# Altium PCB 左手键盘1.PcbDoc (part 2 of 2)
Units mm, origin at the board's own origin, x right, y up, seen from the top; angles counter-clockwise.
Board outline 400.53 x 130.06 mm, 2 copper layers (Top Layer, Bottom Layer); 131 components, 148 nets, 1503 pads, 606 vias.
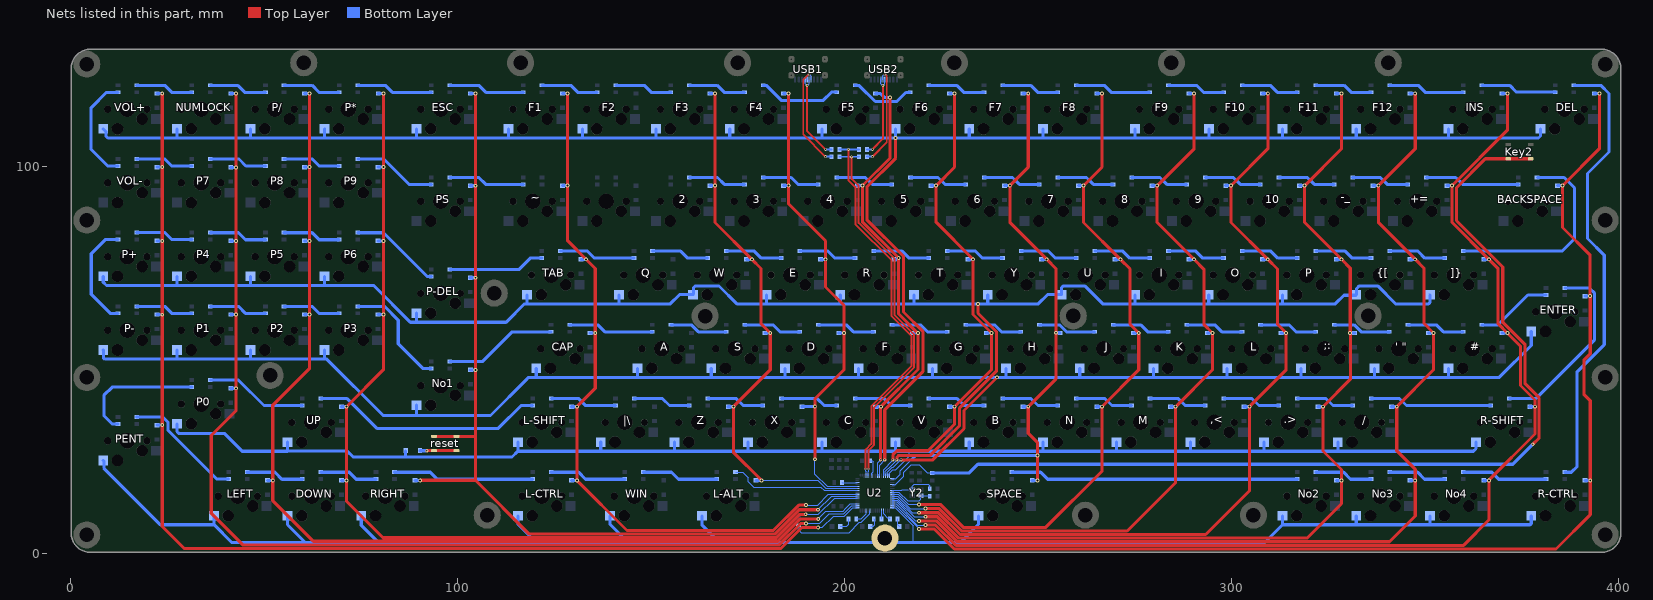
[diagram p2: the nets of this part, all layers, seen from the top]

## Via types
v1: diameter 0.8, hole 0.4, Top Layer to Bottom Layer, tented both sides, 366 vias
v2: diameter 1, hole 0.5, Top Layer to Bottom Layer, tented both sides, 238 vias
v3: diameter 0.5, hole 0.3, Top Layer to Bottom Layer, tented both sides, 2 vias

## Nets (pads, with @x,y where several pads share a name; then routed paths per layer and width w, separated by ;. In a path a pad name is that pad's centre, name@x,y a point inside that pad or via, vN(x,y) a via of type N, cw(c..) or ccw(c..) an arc to the next point about the centre after c; other vN are vias at no path point) (continued)
Net2_2: 2.2 3.4 | length 15
  Bottom Layer w0.8: 2.2@160.005,97.138 167.225,97.138 169.025,95.338 3.4@174.229,95.338
Net2_5: 2.5 F3.5 L-ALT.5 S.5 U2.59 W.5 Z.5 | length 147
  Top Layer w0.8: v2(166.553,118.839) 166.578,118.813 166.578,95.052 v2(166.603,95.026) 166.603,85.488 v2(176.116,75.976) 178.497,73.595 178.497,59.307 v2(180.878,56.926) 180.878,47.401 v2(171.353,37.876) 171.353,26.106 v2(178.653,18.806)
  Bottom Layer w0.3: v2(178.653,18.806) 193.162,18.806 195.206,16.762 U2.59@203.402,16.762
  Bottom Layer w0.8: F3.5@165.214,118.839 F3.5@165.265,118.839 v2(166.553,118.839) v2@166.586,118.872 ; 2.5@165.265,95.026 v2(166.603,95.026) v2@166.637,95.059 ; Z.5@170.015,37.876 v2(171.353,37.876) v2@171.386,37.91 ; W.5@174.777,75.976 v2(176.116,75.976) v2@176.149,76.01 ; L-ALT.5@177.165,18.826 177.175,18.816 178.643,18.816 v2(178.653,18.806) ; S.5@179.54,56.926 v2(180.878,56.926) v2@180.911,56.959
Net3_2: 3.2 4.4 | length 15
  Bottom Layer w0.8: 3.2@179.042,97.138 186.262,97.138 188.062,95.338 4.4@193.266,95.338
Net3_5: 3.5 D.5 E.5 F4.5 U2.60 X.5 | length 130.5
  Top Layer w0.8: v2(185.628,118.813) 185.634,118.807 185.634,95.032 v2(185.641,95.026) 185.641,90.264 195.166,80.739 v2(195.166,75.976) 195.166,68.832 199.928,64.07 v2(199.928,56.926) 199.928,47.401 192.39,39.863 v2(192.39,37.943) 192.39,24.298 v2(192.4,24.287)
  Bottom Layer w0.3: v2(192.4,24.287) 192.4,20.457 195.595,17.262 U2.60@203.402,17.262
  Bottom Layer w0.8: F4.5@184.29,118.813 v2(185.628,118.813) v2@185.661,118.847 ; 3.5@184.302,95.026 v2(185.641,95.026) v2@185.674,95.059 ; X.5@189.065,37.876 189.131,37.943 v2(192.39,37.943) 190.47,37.943 ; E.5@193.827,75.976 v2(195.166,75.976) v2@195.199,76.01 ; D.5@198.59,56.926 v2(199.928,56.926) v2@199.962,56.959
Net4_2: 4.2 5.4 | length 15
  Bottom Layer w0.8: 4.2@198.092,97.138 205.452,97.138 207.252,95.338 5.4@212.316,95.338
Net4_5: 4.5 C.5 F5.5 F.5 R.5 U2.10 | length 121.1
  Top Layer w0.8: v1(209.408,24.145) 209.408,37.681 209.426,37.698 209.426,37.84 v2(209.464,37.878) 219.075,47.489 v2(219.075,56.881) 219.023,56.881 214.071,61.834 v2(214.071,76.307) 204.688,85.689 v2(204.688,95.047) 204.724,95.047 211.86,102.182 v2(211.86,117.831)
  Bottom Layer w0.3: U2.10@208.652,20.012 208.652,23.364 v1@209.408,24.12
  Bottom Layer w0.8: 4.5@203.352,95.026 203.373,95.047 v2(204.688,95.047) 204.711,95.047 v2@204.724,95.059 ; F5.5@208.115,118.839 208.147,118.807 209.374,118.807 210.35,117.831 v2(211.86,117.831) ; C.5@208.128,37.876 C.5@208.128,37.876 209.463,37.877 v2(209.464,37.878) ; R.5@212.877,75.976 212.881,75.973 214.067,75.973 214.071,75.976 v2(214.071,76.307) ; F.5@217.64,56.926 217.685,56.881 v2(219.075,56.881) 219.075,56.896 v2@219.011,56.959
Net5_2: 5.2 6.4 | length 15
  Bottom Layer w0.8: 5.2@217.142,97.138 224.248,97.138 226.048,95.338 6.4@231.366,95.338
Net5_5: 5.5 F6.5 G.5 T.5 U2.13 V.5 | length 129.9
  Top Layer w0.8: v1(212.562,24.145) 212.562,25.42 213.627,26.485 221.661,26.485 228.503,33.327 v2(228.503,37.876) 238.041,47.414 v2(238.041,56.926) 233.278,61.689 v2(233.278,75.976) 223.741,85.514 v2(223.741,95.026) 228.503,99.789 v2(228.503,118.839)
  Bottom Layer w0.3: U2.13@210.152,20.012 210.152,21.607 212.578,24.033 v1@212.578,24.094
  Bottom Layer w0.8: 5.5@222.402,95.026 v2(223.741,95.026) v2@223.774,95.059 ; V.5@227.165,37.876 v2(228.503,37.876) v2@228.536,37.91 ; F6.5@227.165,118.839 v2(228.503,118.839) v2@228.536,118.872 ; T.5@231.94,75.976 v2(233.278,75.976) v2@233.312,76.01 ; G.5@236.703,56.926 v2(238.041,56.926) v2@238.074,56.959
Net6_2: 6.2 7.4 | length 15
  Bottom Layer w0.8: 6.2@236.192,97.138 243.476,97.138 245.276,95.338 7.4@250.416,95.338
Net6_5: 6.5 B.5 F7.5 H.5 SPACE.5 U2.17 Y.5 | length 159.3
  Top Layer w0.8: v2(247.553,118.839) 247.553,99.789 v2(242.791,95.026) 242.791,85.514 v2(252.328,75.976) 254.698,73.606 v2(254.698,56.991) 254.698,45.008 v2(247.566,37.876) 247.566,31.011 249.911,28.666 v2(249.911,25.222) 249.9,25.212 249.9,19.008 249.902,19.006 249.902,18.864 v2(249.941,18.826)
  Bottom Layer w0.3: U2.17@212.402,19.262 213.262,19.262 214.444,20.444 214.444,21.304 217.385,24.246
  Bottom Layer w0.8: 217.385,24.246 218.362,25.222 v2(249.911,25.222) ; 6.5@241.452,95.026 v2(242.791,95.026) v2@242.824,95.059 ; F7.5@246.215,118.839 v2(247.553,118.839) v2@247.587,118.872 ; B.5@246.228,37.876 v2(247.566,37.876) v2@247.599,37.91 ; SPACE.5@248.602,18.826 v2(249.941,18.826) v2@249.974,18.86 ; Y.5@250.99,75.976 v2(252.328,75.976) v2@252.362,76.01 ; v2(254.698,56.991) 255.675,56.991 H.5@255.74,56.926
Net7_2: 7.2 8.4 | length 15
  Bottom Layer w0.8: 7.2@255.242,97.138 262.602,97.138 264.402,95.338 8.4@269.466,95.338
Net7_5: 7.5 F8.5 J.5 N.5 U2.25 U.5 | length 180.2
  Top Layer w0.8: v2@219.33,12.629 v2(219.324,12.623) 224.81,12.623 230.753,6.68 252.12,6.68 266.603,21.163 v2(266.603,37.876) 276.128,47.401 v2(276.128,56.926) 273.84,59.214 273.84,73.502 v2(271.366,75.976) 261.841,85.501 v2(261.841,95.026) 266.603,99.789 v2(266.603,118.839)
  Bottom Layer w0.3: U2.25@212.402,15.262 213.958,15.262 216.597,12.623 v2(219.324,12.623)
  Bottom Layer w0.8: 7.5@260.502,95.026 v2(261.841,95.026) v2@261.874,95.059 ; N.5@265.265,37.876 v2(266.603,37.876) v2@266.637,37.91 ; F8.5@265.265,118.839 v2(266.603,118.839) v2@266.637,118.872 ; U.5@270.027,75.976 v2(271.366,75.976) v2@271.399,76.01 ; J.5@274.79,56.926 v2(276.128,56.926) v2@276.161,56.959
Net8_2: 8.2 9.4 | length 15
  Bottom Layer w0.8: 8.2@274.292,97.138 281.601,97.138 283.401,95.338 9.4@288.516,95.338
Net8_5: 8.5 F9.5 I.5 K.5 M.5 U2.26 | length 203.5
  Top Layer w0.8: v2(221.021,11.534) 224.588,11.534 230.369,5.753 273.126,5.753 285.653,18.28 v2(285.653,37.876) 295.178,47.401 v2(295.178,56.926) 292.952,59.152 292.952,73.44 v2(290.416,75.976) 280.891,85.501 v2(280.891,95.026) 290.428,104.564 v2(290.428,118.839)
  Bottom Layer w0.3: U2.26@212.402,14.762 213.854,14.762 217.082,11.534 v2(221.021,11.534)
  Bottom Layer w0.8: 8.5@279.552,95.026 v2(280.891,95.026) v2@280.924,95.059 ; M.5@284.315,37.876 v2(285.653,37.876) v2@285.686,37.91 ; I.5@289.077,75.976 v2(290.416,75.976) v2@290.449,76.01 ; F9.5@289.09,118.839 v2(290.428,118.839) v2@290.462,118.872 ; K.5@293.84,56.926 v2(295.178,56.926) v2@295.212,56.959
Net9_2: 9.2 10.4 | length 15
  Bottom Layer w0.8: 9.2@293.355,97.138 300.575,97.138 302.375,95.338 10.4@307.579,95.338
Net9_5: 9.5 ,<.5 F10.5 L.5 O.5 U2.27 | length 224.1
  Top Layer w0.8: v2@219.335,10.46 v2(219.324,10.471) 224.34,10.471 229.985,4.826 293.408,4.826 304.726,16.144 304.726,31.753 304.703,31.777 v2(304.703,37.876) 314.228,47.401 v2(314.228,56.926) 311.977,59.177 311.977,73.465 v2(309.466,75.976) 299.953,85.488 v2(299.953,95.026) 309.478,104.551 v2(309.478,118.839)
  Bottom Layer w0.3: U2.27@212.402,14.262 213.751,14.262 217.542,10.471 v2(219.324,10.471)
  Bottom Layer w0.8: 9.5@298.615,95.026 v2(299.953,95.026) ; 303.365,37.876 v2(304.703,37.876) ; O.5@308.127,75.976 v2(309.466,75.976) ; F10.5@308.14,118.839 v2(309.478,118.839) ; L.5@312.89,56.926 v2(314.228,56.926)
Net10_2: 10.2 -_.4 | length 15
  Bottom Layer w0.8: 10.2@312.392,97.138 319.701,97.138 321.501,95.338 -_.4@326.616,95.338
Net10_5: 10.5 .>.5 ;:.5 F11.5 No2.5 P.5 U2.28 | length 252
  Top Layer w0.8: v2(221.046,9.426) 224.074,9.426 229.601,3.899 319.595,3.899 328.528,12.832 v2(328.528,18.826) 328.528,21.634 323.753,26.409 v2(323.753,37.876) 330.816,44.939 330.816,56.763 330.696,56.883 330.696,56.991 330.797,57.092 330.797,73.695 v2(328.516,75.976) 318.991,85.501 v2(318.991,95.026) 328.516,104.551 v2(328.516,118.839)
  Bottom Layer w0.3: U2.28@212.402,13.762 213.647,13.762 218.031,9.378 220.998,9.378 v2(221.046,9.426)
  Bottom Layer w0.8: 10.5@317.652,95.026 v2(318.991,95.026) v2@319.024,95.059 ; .>.5@322.415,37.876 v2(323.753,37.876) v2@323.786,37.91 ; P.5@327.177,75.976 v2(328.516,75.976) v2@328.549,76.01 ; F11.5@327.177,118.839 v2(328.516,118.839) v2@328.549,118.872 ; No2.5@327.19,18.826 v2(328.528,18.826) v2@328.562,18.86 ; v2(330.696,56.937) 331.929,56.937 331.94,56.926
Net#_2: #.2 ENTER.4 | length 19.8
  Bottom Layer w0.8: #.2@364.792,59.038 364.852,58.979 368.91,58.979 376.682,66.751 377.876,66.751 377.888,66.763 ENTER.4@381.391,66.763
Net#_4: "' \".2" #.4 | length 15
  Bottom Layer w0.8: 345.729,59.038 353.051,59.038 354.851,57.238 #.4@359.953,57.238
Net#_5: #.5 +=.5 ]}.5 INS.5 No4.5 R-SHIFT.5 U2.30 | length 299.7
  Top Layer w0.8: v2(221.046,7.314) 223.564,7.314 228.833,2.045 360.091,2.045 366.628,8.582 366.628,18.88 366.728,18.98 366.728,19.007 378.528,30.807 v2(378.528,37.876) 378.528,39.622 374.781,43.369 374.781,53.536 v2(371.391,56.926) 369.03,59.287 369.03,73.574 v2(366.628,75.976) 357.091,85.514 v2(357.091,95.026) 371.391,109.326 v2(371.391,118.839)
  Bottom Layer w0.3: U2.30@212.402,12.762 213.439,12.762 218.931,7.269 221.002,7.269 v2(221.046,7.314)
  Bottom Layer w0.8: +=.5@355.752,95.026 v2(357.091,95.026) v2@357.124,95.059 ; No4.5@365.29,18.826 v2(366.628,18.826) v2@366.662,18.86 ; ]}.5@365.29,75.976 v2(366.628,75.976) v2@366.662,76.01 ; #.5@370.053,56.926 v2(371.391,56.926) v2@371.424,56.959 ; INS.5@370.053,118.839 v2(371.391,118.839) v2@371.424,118.872 ; R-SHIFT.5@377.19,37.876 v2(378.528,37.876) v2@378.562,37.91
Net#_6: "' \".6" #.6 ;:.6 A.6 CAP.6 D.6 ENTER.6 F.6 G.6 H.6 J.6 K.6 L.6 No1.6 P1.6 P2.6 P3.6 P-.6 S.6 U2.15 | length 471
  Top Layer w0.8: v1(214.666,24.145) 222.903,24.145 230.965,32.207 230.965,36.911 239.494,45.441 v2(239.494,45.476)
  Bottom Layer w0.3: U2.15@211.152,20.012 211.152,20.89 212.453,22.191 212.701,22.191 214.655,24.145 v1(214.666,24.145)
  Bottom Layer w0.8: P-.6@8.471,52.535 8.509,52.497 8.509,50.541 8.89,50.16 27.622,50.16 ; P1.6@27.521,52.535 27.521,50.262 27.622,50.16 ; P2.6@46.571,52.535 46.571,50.376 46.355,50.16 ; P3.6@65.621,52.535 65.621,50.249 65.532,50.16 ; No1.6@89.438,38.247 89.438,35.611 ; CAP.6@120.396,47.772 120.396,45.461 ; A.6@146.596,47.772 146.596,45.626 146.431,45.461 ; S.6@165.633,47.772 165.633,45.563 165.735,45.461 ; D.6@184.683,47.772 184.683,45.563 184.785,45.461 ; F.6@203.733,47.772 203.733,45.613 203.581,45.461 ; G.6@222.796,47.772 222.796,45.499 222.758,45.461 ; H.6@241.833,47.772 241.833,45.613 241.681,45.461 ; J.6@260.883,47.772 260.883,45.486 260.858,45.461 ; K.6@279.933,47.772 279.933,45.69 280.162,45.461 ; L.6@298.983,47.772 298.983,45.486 298.958,45.461 ; 318.033,47.772 318.033,45.486 318.008,45.461 ; 337.083,47.772 337.083,45.486 337.058,45.461 ; #.6@356.146,47.772 356.146,45.55 356.235,45.461 ; ENTER.6@377.571,57.297 377.571,53.716 369.316,45.461 356.235,45.461 ; 27.622,50.16 46.355,50.16 ; 46.355,50.16 65.532,50.16 ; 65.532,50.16 66.264,50.16 80.813,35.611 89.438,35.611 ; 89.438,35.611 108.559,35.611 117.914,44.966 117.914,44.992 118.383,45.461 120.396,45.461 ; 120.396,45.461 146.431,45.461 ; 146.431,45.461 165.735,45.461 ; 165.735,45.461 184.785,45.461 ; 184.785,45.461 203.581,45.461 ; 203.581,45.461 222.758,45.461 ; 222.758,45.461 241.681,45.461 ; 241.681,45.461 260.858,45.461 ; 260.858,45.461 280.162,45.461 ; 280.162,45.461 298.958,45.461 ; 298.958,45.461 318.008,45.461 ; 318.008,45.461 337.058,45.461 ; 337.058,45.461 356.235,45.461
"Net' \"_4": "' \".4" ;:.2 | length 15
  Bottom Layer w0.8: 326.679,59.038 331.79,59.038 333.59,57.238 340.903,57.238
"Net' \"_5": "' \".5" -_.5 /.5 F12.5 No3.5 U2.29 {[.5 | length 275.2
  Top Layer w0.8: v2(219.324,8.372) 223.817,8.372 229.217,2.972 340.931,2.972 347.578,9.619 v2(347.578,18.826) 347.578,21.692 342.816,26.454 v2(342.816,37.876) 352.328,47.388 v2(352.328,56.926) 349.849,59.405 349.849,73.705 v2(347.578,75.976) 338.041,85.514 v2(338.041,95.026) 347.578,104.564 v2(347.578,118.839)
  Bottom Layer w0.3: U2.29@212.402,13.262 213.543,13.262 218.374,8.431 219.265,8.431 v2(219.324,8.372)
  Bottom Layer w0.8: -_.5@336.702,95.026 v2(338.041,95.026) ; /.5@341.478,37.876 v2(342.816,37.876) ; No3.5@346.24,18.826 v2(347.578,18.826) ; {[.5@346.24,75.976 v2(347.578,75.976) ; F12.5@346.24,118.839 v2(347.578,118.839) ; 350.99,56.926 v2(352.328,56.926)
Net+=_2: +=.2 BACKSPACE.4 | length 24.5
  Bottom Layer w0.8: +=.2@350.492,97.138 358.03,97.138 359.83,95.338 BACKSPACE.4@374.241,95.338
Net+=_4: +=.4 -_.2 | length 15
  Bottom Layer w0.8: -_.2@331.442,97.138 338.548,97.138 340.348,95.338 +=.4@345.666,95.338
Net,<_2: ,<.2 M.4 | length 15
  Bottom Layer w0.8: M.4@279.064,39.976 286.337,39.976 288.138,38.176 293.288,38.176
Net,<_4: ,<.4 .>.2 | length 15
  Bottom Layer w0.8: 298.114,39.976 305.387,39.976 307.188,38.176 .>.2@312.338,38.176
Net,<_6: ,<.6 .>.6 /.6 B.6 C.6 D2.2 L-SHIFT.6 M.6 N.6 P0.6 R-SHIFT.6 U2.16 UP.6 V.6 X.6 Z.6 |\.6 | length 383.5
  Bottom Layer w0.3: U2.16@211.652,20.007 211.652,20.644 212.557,21.549 213.279,21.549 216.784,25.055 216.784,26.368
  Bottom Layer w0.8: P0.6@27.521,33.454 27.521,31.444 27.99,30.975 39.787,30.975 44.386,26.375 56.096,26.375 ; UP.6@56.096,28.692 56.096,26.393 71.549,26.393 73.081,24.862 86.604,24.862 ; D2.2@86.644,26.472 86.644,24.902 86.604,24.862 ; 115.633,26.393 L-SHIFT.6@115.633,28.692 ; 137.058,26.393 |\.6@137.058,28.692 ; 156.108,26.393 Z.6@156.108,28.692 ; 175.158,26.393 X.6@175.158,28.692 ; 194.221,26.393 C.6@194.221,28.692 ; 213.258,26.393 V.6@213.258,28.692 ; 232.313,26.393 B.6@232.313,28.692 ; 251.358,26.393 N.6@251.358,28.692 ; 270.408,26.393 M.6@270.408,28.692 ; 289.458,26.393 289.458,28.692 ; 308.508,26.393 .>.6@308.508,28.692 ; /.6@327.571,28.692 327.571,26.393 327.546,26.368 ; R-SHIFT.6@363.284,28.692 363.284,27.031 362.621,26.368 327.546,26.368 ; 86.604,24.862 114.127,24.862 115.633,26.368 137.058,26.368 156.108,26.368 175.158,26.368 194.221,26.368 213.258,26.368 216.784,26.368 232.313,26.368 251.358,26.368 270.408,26.368 289.458,26.368 308.508,26.368 327.546,26.368
Net.>_4: .>.4 /.2 | length 15
  Bottom Layer w0.8: .>.4@317.164,39.976 324.539,39.976 326.339,38.176 /.2@331.388,38.176
Net/_4: /.4 R-SHIFT.2 | length 31.6
  Bottom Layer w0.8: /.4@336.227,39.976 343.513,39.976 345.313,38.176 R-SHIFT.2@367.113,38.176
Net;:_4: ;:.4 L.2 | length 15
  Bottom Layer w0.8: L.2@307.629,59.038 314.951,59.038 316.751,57.238 321.853,57.238
Net]}_2: ]}.2 {[.4 | length 15
  Bottom Layer w0.8: {[.4@340.99,78.076 348.288,78.076 350.088,76.276 ]}.2@355.214,76.276
Net]}_4: ]}.4 BACKSPACE.2 | length 53.8
  Bottom Layer w0.8: ]}.4@360.04,78.076 385.538,78.076 388.758,81.296 388.758,94.454 386.073,97.139 BACKSPACE.2@379.256,97.139
Net]}_6: ]}.6 E.6 I.6 O.6 P4.6 P5.6 P6.6 P+.6 P-DEL.6 P.6 Q.6 R.6 T.6 TAB.6 U2.14 U.6 W.6 Y.6 {[.6 | length 461.2
  Top Layer w0.8: v1(213.614,24.145) 213.614,24.835 214.083,25.303 222.192,25.303 229.768,32.88 229.768,37.455 239.321,47.008 239.321,57.325 234.582,62.065 v2(234.582,64.463)
  Bottom Layer w0.3: U2.14@210.652,20.012 210.652,21.152 212.118,22.618 v1@213.644,24.145
  Bottom Layer w0.8: P+.6@8.471,71.559 8.471,70.035 9.322,69.185 27.686,69.185 ; P4.6@27.521,71.559 27.521,69.35 27.686,69.185 ; P5.6@46.571,71.559 46.571,69.35 46.736,69.185 ; P6.6@65.621,71.559 65.621,69.273 65.532,69.185 ; P-DEL.6@89.433,62.034 89.433,59.736 89.408,59.71 ; TAB.6@118.008,66.797 118.008,64.765 117.983,64.74 117.983,64.473 ; Q.6@141.821,66.797 141.821,64.562 141.732,64.473 ; E.6@179.921,66.797 179.921,64.511 179.959,64.473 ; R.6@198.971,66.797 198.971,64.638 199.136,64.473 ; T.6@218.034,66.797 218.034,64.625 218.186,64.473 ; Y.6@237.084,66.797 237.084,64.625 237.236,64.473 ; I.6@275.171,66.797 275.171,64.638 275.336,64.473 ; O.6@294.221,66.797 294.221,64.511 294.259,64.473 ; P.6@313.271,66.797 313.271,64.511 313.309,64.473 ; ]}.6@351.384,66.797 351.358,66.772 351.358,64.77 351.061,64.473 342.486,64.473 337.858,69.101 333.132,69.101 332.4,68.369 332.4,66.863 332.217,66.68 329.162,66.68 326.955,64.473 313.309,64.473 ; 27.686,69.185 46.736,69.185 ; 46.736,69.185 65.532,69.185 ; 65.532,69.185 78.384,69.185 87.859,59.71 89.408,59.71 ; 89.408,59.71 112.611,59.71 117.373,64.473 117.983,64.473 ; 117.983,64.473 141.732,64.473 ; 141.732,64.473 155.052,64.473 157.407,66.827 W.6@160.871,66.827 161.01,66.967 161.01,68.542 161.577,69.109 162.331,69.109 162.345,69.095 167.632,69.095 172.254,64.473 179.959,64.473 ; 179.959,64.473 199.136,64.473 ; 199.136,64.473 218.186,64.473 ; 218.186,64.473 237.236,64.473 ; 237.236,64.473 250.163,64.473 252.518,66.827 U.6@256.121,66.827 256.146,66.827 256.166,66.847 256.166,68.645 256.635,69.114 262.141,69.114 266.782,64.473 275.336,64.473 ; 275.336,64.473 294.259,64.473 ; 294.259,64.473 313.309,64.473
NetA_2: A.2 S.4 | length 15
  Bottom Layer w0.8: A.2@155.242,59.038 160.479,59.038 162.279,57.238 164.275,57.238 S.4@169.466,57.238
NetA_4: A.4 CAP.2 | length 22.1
  Bottom Layer w0.8: CAP.2@129.042,59.038 136.313,59.038 138.113,57.238 A.4@150.416,57.238
NetB_2: B.2 V.4 | length 15
  Bottom Layer w0.8: V.4@221.914,39.976 229.187,39.976 230.987,38.176 B.2@236.138,38.176
NetB_4: B.4 N.2 | length 15
  Bottom Layer w0.8: B.4@240.977,39.976 248.288,39.976 250.088,38.176 N.2@255.201,38.176
NetBACKSPACE_5: BACKSPACE.5 DEL.5 ENTER.5 R-CTRL.5 U2.31 | length 311.3
  Top Layer w0.8: v2(219.324,6.273) 223.294,6.273 228.449,1.118 383.951,1.118 392.816,9.982 v2(392.816,18.826) 392.816,39.418 391.165,41.069 391.165,49.89 392.816,51.541 v2@392.816,66.451 ; v2(392.77,66.451) 392.804,66.486 392.804,77.055 385.666,84.194 v2(385.666,95.026) 395.191,104.551 v2(395.191,118.839)
  Bottom Layer w0.3: U2.31@212.402,12.262 213.335,12.262 v2(219.324,6.273)
  Bottom Layer w0.8: BACKSPACE.5@384.327,95.026 v2(385.666,95.026) v2@385.699,95.059 ; R-CTRL.5@391.477,18.826 v2(392.816,18.826) v2@392.849,18.86 ; ENTER.5@391.477,66.451 v2(392.77,66.451) ; DEL.5@393.852,118.839 v2(395.191,118.839) v2@395.224,118.872
NetC8_2: C8.2 U2.7 | length 4.6
  Bottom Layer w0.3: C8.2@206.632,23.909 206.649,23.892 207.277,23.892 207.548,23.621 207.548,21.106 207.152,20.71 U2.7@207.152,20.178
NetC9_1: C9.1 U2.62 | length 4
  Bottom Layer w0.3: C9.1@199.404,18.324 199.466,18.262 U2.62@203.402,18.262
NetC10_2: C10.2 U2.24 Y2.3 | length 11.8
  Bottom Layer w0.3: U2.24@212.402,15.762 214.118,15.762 216.357,13.523 219.334,13.523 219.776,13.965 219.776,14.783 Y2.3@219.83,14.837 ; Y2.3@219.705,14.837 221.997,14.837 C10.2@222.083,14.751
NetC11_2: C11.2 U2.23 Y2.1 | length 11.8
  Bottom Layer w0.3: U2.23@212.402,16.262 214.853,16.262 215.028,16.437 Y2.1@217.63,16.437 217.63,17.335 218.125,17.831 221.681,17.831 222.062,17.45 222.062,16.682 C11.2@222.083,16.661
NetC_2: C.2 X.4 | length 14.9
  Bottom Layer w0.8: X.4@183.814,39.976 193.013,39.976 194.798,38.191 C.2@197.96,38.191
NetC_4: C.4 V.2 | length 15
  Bottom Layer w0.8: C.4@202.877,39.976 210.315,39.976 212.115,38.176 V.2@217.101,38.176
NetCAP_4: CAP.4 No1.2 | length 29.2
  Bottom Layer w0.8: No1.2@98.084,49.513 106.43,49.513 114.155,57.238 CAP.4@124.128,57.238
NetCAP_5: CAP.5 F1.5 L-CTRL.5 L-SHIFT.5 TAB.5 U2.56 ~.5 | length 195
  Top Layer w0.8: v2(128.491,118.839) v2(128.491,95.026) 128.491,80.739 v2(133.253,75.976) 135.641,73.589 v2(135.641,56.926) 135.641,42.639 v2(130.878,37.876) v2(130.878,18.826) 143.835,5.869 181.691,5.869 188.258,12.437 v2(190.086,12.437)
  Bottom Layer w0.3: v2(190.086,12.437) 193.091,12.437 195.916,15.262 U2.56@203.402,15.262
  Bottom Layer w0.8: ~.5@127.152,95.026 v2(128.491,95.026) v2@128.524,95.059 ; F1.5@127.152,118.839 v2(128.491,118.839) v2@128.524,118.872 ; L-CTRL.5@129.54,18.826 v2(130.878,18.826) v2@130.912,18.86 ; L-SHIFT.5@129.54,37.876 v2(130.878,37.876) v2@130.912,37.91 ; TAB.5@131.915,75.976 v2(133.253,75.976) v2@133.286,76.01 ; CAP.5@134.302,56.926 v2(135.641,56.926) v2@135.674,56.959
NetD1_1: D1.1 R7.2 | length 2.9
  Bottom Layer w0.3: D1.1@206.837,6.921 207.457,6.921 207.932,7.396 207.932,8.547 207.617,8.862 R7.2@207.625,8.87
NetD2_1: D2.1 reset.3 reset.4 | length 9.4
  Top Layer w0.8: v1@92.156,26.502 92.161,26.507 reset.3@93.955,26.507 reset.4@99.755,26.507
  Bottom Layer w0.8: D2.1@90.353,26.507 90.355,26.505 92.128,26.505 v1(92.131,26.502)
NetD3_1: D3.1 R8.2 | length 2.1
  Bottom Layer w0.3: R8.2@213.79,8.87 213.79,7.368 D3.1@214.202,6.956
NetD4_1: D4.1 R9.2 | length 3.8
  Bottom Layer w0.3: D4.1@198.953,6.939 200.594,6.939 201.116,7.461 201.116,8.864 R9.2@201.113,8.867
NetD_2: D.2 F.4 | length 15
  Bottom Layer w0.8: D.2@193.329,59.038 200.55,59.038 202.35,57.238 F.4@207.553,57.238
NetD_4: D.4 S.2 | length 15
  Bottom Layer w0.8: S.2@174.279,59.038 181.601,59.038 183.401,57.238 D.4@188.503,57.238
NetDEL_2: DEL.2 INS.4 | length 19.7
  Bottom Layer w0.8: INS.4@364.802,120.939 371.999,120.939 373.761,119.177 DEL.2@383.776,119.177
NetDEL_4: DEL.4 R-CTRL.2 | length 117.1
  Bottom Layer w0.8: R-CTRL.2@386.312,20.938 387.947,20.938 389.427,22.418 389.427,46.907 396.433,53.913 396.433,77.047 392.105,81.375 392.105,98.171 397.658,103.724 397.658,118.813 395.532,120.939 DEL.4@388.602,120.939
NetDEL_6: DEL.6 ESC.6 F1.6 F2.6 F3.6 F4.6 F5.6 F6.6 F7.6 F8.6 F9.6 F10.6 F11.6 F12.6 INS.6 NUMLOCK.6 P*.6 P/.6 U2.11 VOL+.6 | length 516.5
  Top Layer w0.8: v1(210.459,24.145) 210.459,37.074 220.312,46.926 220.312,57.366 215.313,62.364 215.313,76.728 205.849,86.193 205.849,94.683 213.294,102.128 v2(213.294,107.356)
  Bottom Layer w0.3: U2.11@209.152,20.012 209.152,22.807 v1@210.464,24.12
  Bottom Layer w0.8: VOL+.6@8.471,109.675 9.184,108.962 9.184,107.781 9.653,107.312 27.521,107.312 46.723,107.312 46.571,107.465 P/.6@46.571,109.675 ; NUMLOCK.6@27.521,109.675 27.521,107.414 27.597,107.338 ; 46.703,107.333 65.684,107.333 65.684,109.639 P*.6@65.634,109.69 ; 65.684,107.338 89.459,107.338 ; ESC.6@89.433,109.675 89.433,107.363 89.459,107.338 ; F1.6@113.246,109.675 113.246,107.465 113.373,107.338 ; F2.6@132.309,109.675 132.309,107.592 132.563,107.338 ; F3.6@151.359,109.675 151.359,107.414 151.435,107.338 ; F4.6@170.396,109.675 170.396,107.401 170.332,107.338 ; F5.6@194.208,109.675 194.208,107.401 194.272,107.338 ; v2@213.258,107.376 213.294,107.34 213.296,107.338 232.308,107.338 ; v2@213.279,107.376 F6.6@213.279,109.675 ; v2@213.291,107.338 194.272,107.338 ; F7.6@232.308,109.675 232.308,107.338 ; F8.6@251.358,109.675 251.358,107.401 251.422,107.338 ; F9.6@275.184,109.675 275.184,107.351 275.196,107.338 ; F10.6@294.234,109.675 294.234,107.376 294.272,107.338 ; F11.6@313.271,109.675 313.271,107.363 313.296,107.338 ; F12.6@332.334,109.675 332.334,107.401 332.397,107.338 ; INS.6@356.146,109.675 356.146,107.338 ; DEL.6@379.946,109.675 379.946,107.846 379.438,107.338 356.146,107.338 ; 89.459,107.338 113.373,107.338 ; 113.373,107.338 132.563,107.338 ; 132.563,107.338 151.435,107.338 ; 151.435,107.338 170.332,107.338 ; 170.332,107.338 194.272,107.338 ; 232.308,107.338 251.422,107.338 ; 251.422,107.338 275.196,107.338 ; 275.196,107.338 294.272,107.338 ; 294.272,107.338 313.296,107.338 ; 313.296,107.338 332.397,107.338 ; 332.397,107.338 356.146,107.338
NetDOWN_2: DOWN.2 RIGHT.4 | length 15
  Bottom Layer w0.8: DOWN.2@64.755,20.938 72.051,20.938 73.851,19.138 RIGHT.4@78.979,19.138
NetDOWN_4: DOWN.4 LEFT.2 | length 15
  Bottom Layer w0.8: LEFT.2@45.692,20.938 52.849,20.938 54.649,19.138 DOWN.4@59.916,19.138
NetDOWN_5: DOWN.5 P3.5 P6.5 P9.5 P*.5 U2.54 UP.5 | length 257.8
  Top Layer w0.8: v2(80.878,118.839) 80.872,118.832 80.872,99.789 80.872,80.739 80.872,61.695 v2(80.866,61.689) 80.866,47.401 v2(71.341,37.876) 71.347,37.87 71.347,18.832 v2(71.353,18.826) 71.353,13.422 80.76,4.015 182.459,4.015 188.488,10.045 189.999,10.045 v2(190.038,10.083)
  Bottom Layer w0.3: v2(190.038,10.083) 190.054,10.099 193.319,10.099 197.482,14.262 U2.54@203.402,14.262
  Bottom Layer w0.8: UP.5@70.002,37.876 v2(71.341,37.876) v2@71.374,37.91 ; DOWN.5@70.015,18.826 v2(71.353,18.826) v2@71.387,18.86 ; P3.5@79.527,61.689 v2(80.866,61.689) v2@80.899,61.722 ; P6.5@79.527,80.739 v2(80.866,80.739) ; P9.5@79.527,99.789 v2(80.866,99.789) ; P*.5@79.54,118.839 v2(80.878,118.839) v2@80.912,118.872
NetDOWN_6: DOWN.6 L-ALT.6 L-CTRL.6 LEFT.6 No2.6 No3.6 No4.6 pad.1@210.522,3.901 PENT.6 R-CTRL.6 RIGHT.6 SPACE.6 U2.32 WIN.6 | length 457.5
  Bottom Layer w0.3: U2.32@212.402,11.762 212.802,11.762 212.803,11.76 213.203,11.76 217.898,7.065 217.898,2.733
  Bottom Layer w0.8: PENT.6@8.471,23.96 8.618,23.813 8.618,21.984 23.241,7.361 37.135,7.361 ; LEFT.6@37.046,9.672 37.046,7.45 37.135,7.361 ; DOWN.6@56.109,9.672 56.109,7.386 60.724,2.771 60.724,2.733 ; RIGHT.6@75.146,9.672 75.146,7.45 75.057,7.361 79.685,2.733 ; L-CTRL.6@115.633,9.672 115.633,7.551 120.452,2.733 ; WIN.6@139.446,9.672 139.446,7.488 144.201,2.733 ; L-ALT.6@163.258,9.672 163.258,7.424 163.195,7.361 167.823,2.733 ; SPACE.6@234.696,9.672 234.696,7.488 229.941,2.733 ; No2.6@313.284,9.672 313.284,7.406 308.611,2.733 229.941,2.733 ; 313.309,7.361 332.359,7.361 ; No3.6@332.334,9.672 332.334,7.386 332.359,7.361 ; No4.6@351.384,9.672 351.384,7.463 351.282,7.361 ; R-CTRL.6@377.571,9.672 377.571,7.659 377.273,7.361 351.282,7.361 ; 37.135,7.361 41.763,2.733 60.724,2.733 ; 60.724,2.733 79.685,2.733 ; 79.685,2.733 120.452,2.733 ; 120.452,2.733 144.201,2.733 ; 144.201,2.733 167.823,2.733 ; 167.823,2.733 210.522,2.733 217.898,2.733 229.941,2.733 ; 332.359,7.361 351.282,7.361
NetE_2: E.2 W.4 | length 15
  Bottom Layer w0.8: W.4@169.527,78.076 176.762,78.076 178.562,76.276 E.2@183.751,76.276
NetE_4: E.4 R.2 | length 15
  Bottom Layer w0.8: E.4@188.577,78.076 195.797,78.076 197.597,76.276 R.2@202.801,76.276
NetENTER_2: ENTER.2 R-SHIFT.4 | length 48.5
  Bottom Layer w0.8: R-SHIFT.4@371.939,39.976 378.722,39.976 393.964,55.219 393.964,67.173 392.574,68.563 ENTER.2@386.312,68.563
NetESC_2: ESC.2 P*.4 | length 19.7
  Bottom Layer w0.8: P*.4@74.29,120.939 81.398,120.939 83.198,119.139 ESC.2@93.263,119.139
NetESC_4: ESC.4 F1.2 | length 19.7
  Bottom Layer w0.8: ESC.4@98.089,120.939 105.553,120.939 107.353,119.139 F1.2@117.076,119.139
NetESC_5: ESC.5 No1.5 P-DEL.5 PS.5 reset.1 reset.2 RIGHT.5 U2.55 | length 240.5
  Top Layer w0.8: v2(90.391,18.826) 90.424,18.86 104.678,18.86 ; reset.1@93.955,30.207 reset.2@99.755,30.207 104.634,30.207 104.678,30.251 ; v2(104.678,118.839) 104.678,94.996 v2(104.678,71.214) v2(104.678,47.396) 104.678,30.251 ; v2(193.185,11.237) 188.369,11.237 182.075,4.942 118.595,4.942 104.678,18.86 ; 104.678,18.86 104.678,30.251
  Bottom Layer w0.3: v2(193.185,11.237) 196.71,14.762 U2.55@203.402,14.762
  Bottom Layer w0.8: RIGHT.5@89.052,18.826 v2(90.391,18.826) v2@90.424,18.86 ; No1.5@103.34,47.396 v2(104.678,47.396) v2@104.712,47.429 ; P-DEL.5@103.34,71.214 v2(104.678,71.214) ; PS.5@103.34,95.026 103.37,94.996 v2(104.708,94.996) ; ESC.5@103.34,118.839 v2(104.678,118.839) v2@104.712,118.872
NetF1_4: F1.4 F2.2 | length 15
  Bottom Layer w0.8: F1.4@121.902,120.939 129.302,120.939 131.102,119.139 F2.2@136.126,119.139
NetF2_4: F2.4 F3.2 | length 15
  Bottom Layer w0.8: F2.4@140.965,120.939 148.327,120.939 150.127,119.139 F3.2@155.189,119.139
NetF3_4: F3.4 F4.2 | length 15
  Bottom Layer w0.8: F3.4@160.015,120.939 167.148,120.939 168.948,119.139 F4.2@174.239,119.139
NetF4_4: F4.4 F5.2 | length 21.5
  Bottom Layer w0.8: F4.4@179.055,120.942 179.845,120.942 183.718,117.069 194.579,117.069 196.687,119.177 197.831,119.177 197.838,119.17 F5.2@198.031,119.17
NetF5_4: F5.4 F6.2 | length 16.9
  Bottom Layer w0.8: F5.4@202.831,120.97 202.931,120.87 203.92,120.87 208.026,116.764 213.589,116.764 215.927,119.103 216.961,119.103 F6.2@216.997,119.139
NetF6_4: F6.4 F7.2 | length 15
  Bottom Layer w0.8: F6.4@221.914,120.939 229.048,120.939 230.848,119.139 F7.2@236.138,119.139
NetF7_4: F7.4 F8.2 | length 15
  Bottom Layer w0.8: F7.4@240.964,120.939 248.174,120.939 249.974,119.139 F8.2@255.188,119.139
NetF8_4: F8.4 F9.2 | length 19.7
  Bottom Layer w0.8: F8.4@260.014,120.939 267.199,120.939 268.999,119.139 F9.2@278.943,119.139
NetF9_4: F9.4 F10.2 | length 15
  Bottom Layer w0.8: F9.4@283.84,120.939 291.049,120.939 292.849,119.139 F10.2@298.064,119.139
NetF10_4: F10.4 F11.2 | length 15
  Bottom Layer w0.8: F10.4@302.89,120.939 310.15,120.939 311.95,119.139 F11.2@317.114,119.139
NetF11_4: F11.4 F12.2 | length 15
  Bottom Layer w0.8: F11.4@321.927,120.939 329.225,120.939 331.025,119.139 F12.2@336.151,119.139
NetF12_4: F12.4 INS.2 | length 19.7
  Bottom Layer w0.8: F12.4@340.99,120.939 348.377,120.939 350.177,119.139 INS.2@359.976,119.139
NetF_2: F.2 G.4 | length 15
  Bottom Layer w0.8: F.2@212.379,59.038 219.701,59.038 221.501,57.238 G.4@226.603,57.238
NetG_2: G.2 H.4 | length 15
  Bottom Layer w0.8: G.2@231.442,59.038 238.853,59.038 240.653,57.238 H.4@245.666,57.238
NetH_2: H.2 J.4 | length 15
  Bottom Layer w0.8: H.2@250.479,59.038 255.657,59.038 257.457,57.238 J.4@264.703,57.238
NetI_2: I.2 U.4 | length 15
  Bottom Layer w0.8: U.4@264.777,78.076 272.012,78.076 273.812,76.276 I.2@279.001,76.276
NetI_4: I.4 O.2 | length 15
  Bottom Layer w0.8: I.4@283.827,78.076 290.859,78.076 292.659,76.276 O.2@298.051,76.276
NetJ_2: J.2 K.4 | length 15
  Bottom Layer w0.8: J.2@269.529,59.038 276.623,59.038 278.423,57.238 K.4@283.753,57.238
NetK_2: K.2 L.4 | length 15
  Bottom Layer w0.8: K.2@288.579,59.038 295.8,59.038 297.6,57.238 L.4@302.803,57.238
NetKey2_3: Key2.3 Key2.4 R5.1 U2.20 | length 270.4
  Top Layer w0.8: Key2.4@377.434,101.959 Key2.3@371.634,101.959 365.723,101.959 358.242,94.478 358.242,85.964 370.217,73.988 370.217,59.703 375.992,53.928 375.992,43.78 379.618,40.154 379.618,29.786 v1(377.995,28.163)
  Bottom Layer w0.3: U2.20@212.402,17.762 213.164,17.762 215.321,19.919 215.321,20.904 217.292,22.875 219.329,22.875 221.437,20.767 R5.1@222.747,20.767
  Bottom Layer w0.8: R5.1@222.748,20.776 232.313,20.776 234.528,22.992 372.824,22.992 v1(377.995,28.163)
NetL-ALT_2: L-ALT.2 U2.58 | length 34
  Bottom Layer w0.3: L-ALT.2@171.904,20.938 173.753,20.938 175.179,19.512 175.179,18.522 176.591,17.109 193.98,17.109 194.828,16.262 U2.58@203.402,16.262
NetL-ALT_4: L-ALT.4 WIN.2 | length 19.7
  Bottom Layer w0.8: WIN.2@148.092,20.938 155.338,20.938 157.138,19.138 L-ALT.4@167.078,19.138
NetL-CTRL_2: L-CTRL.2 WIN.4 | length 19.7
  Bottom Layer w0.8: L-CTRL.2@124.279,20.938 131.335,20.938 133.135,19.138 WIN.4@143.266,19.138
NetL-CTRL_4: L-CTRL.4 RIGHT.2 | length 36.4
  Bottom Layer w0.8: RIGHT.2@83.792,20.938 93.006,20.938 94.806,19.138 L-CTRL.4@119.453,19.138
NetL-SHIFT_2: L-SHIFT.2 UP.4 | length 60.2
  Bottom Layer w0.8: UP.4@64.752,39.976 71.507,39.976 79.2,32.283 110.607,32.283 116.5,38.176 119.264,38.176 L-SHIFT.2@119.372,38.176
NetL-SHIFT_4: L-SHIFT.4 |\.2 | length 17.2
  Bottom Layer w0.8: L-SHIFT.4@124.407,40.021 131.251,40.021 133.052,38.221 |\.2@140.888,38.221
NetLEFT_4: LEFT.4 PENT.2 | length 31.6
  Bottom Layer w0.8: PENT.2@17.117,35.226 23.854,35.226 25.209,33.871 25.209,31.803 37.871,19.141 LEFT.4@40.852,19.141
NetLEFT_5: LEFT.5 P2.5 P5.5 P8.5 P/.5 U2.51 | length 275.5
  Top Layer w0.8: v2(61.816,118.839) v2(61.816,99.789) v2(61.816,80.739) v2(61.816,61.689) 61.816,47.795 52.291,38.27 v2(52.291,18.826) 52.291,13.582 62.784,3.088 182.842,3.088 188.644,8.89 v2(193.276,8.89)
  Bottom Layer w0.3: v2(193.276,8.89) 195.262,10.876 199.715,10.876 200.421,11.582 201.601,12.762 U2.51@203.402,12.762
  Bottom Layer w0.8: LEFT.5@50.952,18.826 v2(52.291,18.826) v2@52.324,18.86 ; P2.5@60.477,61.689 v2(61.816,61.689) v2@61.849,61.722 ; P5.5@60.477,80.739 v2(61.816,80.739) ; P8.5@60.477,99.789 v2(61.816,99.789) ; P/.5@60.477,118.839 v2(61.816,118.839) v2@61.849,118.872
NetM_2: M.2 N.4 | length 15
  Bottom Layer w0.8: N.4@260.014,39.976 267.414,39.976 269.214,38.176 M.2@274.238,38.176
NetNo1_4: No1.4 P3.2 | length 29.1
  Bottom Layer w0.8: P3.2@74.267,63.801 81.149,63.801 84.732,60.218 84.732,54.145 91.164,47.713 No1.4@93.171,47.713
NetNo2_2: No2.2 No3.4 | length 15
  Bottom Layer w0.8: No2.2@321.93,20.938 329.074,20.938 330.874,19.138 No3.4@336.154,19.138
NetNo2_4: No2.4 SPACE.2 | length 74.5
  Bottom Layer w0.8: SPACE.2@243.342,20.938 250.765,20.938 252.565,19.138 No2.4@317.104,19.138
NetNo3_2: No3.2 No4.4 | length 15
  Bottom Layer w0.8: No3.2@340.98,20.938 348.2,20.938 350,19.138 No4.4@355.204,19.138
NetNo4_2: No4.2 R-CTRL.4 | length 22.1
  Bottom Layer w0.8: No4.2@360.03,20.938 367.351,20.938 369.151,19.138 R-CTRL.4@381.391,19.138
NetNUMLOCK_2: NUMLOCK.2 VOL+.4 | length 15
  Bottom Layer w0.8: VOL+.4@17.127,120.939 24.375,120.939 26.175,119.139 NUMLOCK.2@31.351,119.139
NetNUMLOCK_4: NUMLOCK.4 P/.2 | length 15
  Bottom Layer w0.8: NUMLOCK.4@36.177,120.939 43.221,120.939 45.021,119.139 P/.2@50.401,119.139
NetNUMLOCK_5: NUMLOCK.5 P0.5 P1.5 P4.5 P7.5 U2.50 | length 292.5
  Top Layer w0.8: v2(42.766,118.839) 42.766,99.746 v2(42.766,80.739) v2(42.766,61.689) v2(42.766,42.639) 42.766,36.817 36.396,30.447 36.396,10.3 44.534,2.161 183.226,2.161 188.757,7.692 190.05,7.692 v2(190.089,7.73)
  Bottom Layer w0.3: v2(190.089,7.73) 193.722,7.73 196.18,10.188 199.814,10.188 201.888,12.262 U2.50@203.402,12.262
  Bottom Layer w0.8: P7.5@41.421,99.746 v2(42.759,99.746) ; P0.5@41.427,42.639 v2(42.766,42.639) v2@42.799,42.672 ; P1.5@41.427,61.689 v2(42.766,61.689) ; P4.5@41.427,80.739 v2(42.766,80.739) ; NUMLOCK.5@41.427,118.839 v2(42.766,118.839) v2@42.799,118.872
NetO_4: O.4 P.2 | length 15
  Bottom Layer w0.8: O.4@302.877,78.076 310.264,78.076 312.064,76.276 P.2@317.101,76.276
NetP0_2: P0.2 PENT.4 | length 33.4
  Bottom Layer w0.8: PENT.4@12.291,33.426 10.796,33.426 8.636,35.585 8.636,40.818 10.757,42.939 P0.2@31.351,42.939
NetP0_4: P0.4 UP.2 | length 26.5
  Bottom Layer w0.8: P0.4@36.177,44.739 43.45,44.739 50.013,38.176 UP.2@59.926,38.176
NetP1_2: P1.2 P2.4 | length 15
  Bottom Layer w0.8: P1.2@36.167,63.801 43.412,63.801 45.213,62.001 P2.4@50.391,62.001
NetP1_4: P1.4 P-.2 | length 15
  Bottom Layer w0.8: P-.2@17.117,63.801 24.388,63.801 26.188,62.001 P1.4@31.341,62.001
NetP2_2: P2.2 P3.4 | length 15
  Bottom Layer w0.8: P2.2@55.217,63.801 62.437,63.801 64.237,62.001 P3.4@69.441,62.001
NetP4_2: P4.2 P+.4 | length 15
  Bottom Layer w0.8: P+.4@17.127,82.864 24.425,82.864 26.225,81.064 P4.2@31.351,81.064
NetP4_4: P4.4 P5.2 | length 15
  Bottom Layer w0.8: P4.4@36.177,82.839 43.45,82.839 45.25,81.039 P5.2@50.401,81.039
NetP5_4: P5.4 P6.2 | length 15
  Bottom Layer w0.8: P5.4@55.227,82.839 62.475,82.839 64.275,81.039 P6.2@69.451,81.039
NetP6_4: P6.4 P-DEL.2 | length 23.7
  Bottom Layer w0.8: P6.4@74.277,82.839 80.89,82.839 92.151,71.577 93.2,71.577 P-DEL.2@93.263,71.514
NetP7_2: P7.2 P8.4 | length 15
  Bottom Layer w0.8: P7.2@36.167,101.901 43.539,101.901 45.34,100.101 P8.4@50.391,100.101
NetP7_4: P7.4 VOL-.2 | length 15
  Bottom Layer w0.8: VOL-.2@17.117,101.901 24.362,101.901 26.163,100.101 P7.4@31.341,100.101
NetP8_2: P8.2 P9.4 | length 15
  Bottom Layer w0.8: P8.2@55.217,101.901 62.488,101.901 64.288,100.101 P9.4@69.441,100.101
NetP9_2: P9.2 PS.4 | length 21.7
  Bottom Layer w0.8: P9.2@74.267,101.901 80.954,101.901 87.516,95.338 PS.4@93.253,95.338
NetP*_2: P*.2 P/.4 | length 15
  Bottom Layer w0.8: P/.4@55.227,120.939 62.449,120.939 64.249,119.139 P*.2@69.451,119.139
NetP+_2: P+.2 P-.4 | length 27.9
  Bottom Layer w0.8: P-.4@12.291,62.001 10.288,62.001 5.359,66.929 5.359,77.445 8.987,81.072 12.292,81.072 P+.2@12.293,81.07
NetP+_5: P+.5 P-.5 PENT.5 U2.49 VOL+.5 VOL-.5 | length 305.1
  Top Layer w0.8: v2(23.716,118.839) v2(23.716,99.789) v2(23.716,80.739) 23.726,80.728 v2(23.726,61.643) 23.726,33.124 v2(23.716,33.114) 23.731,33.098 23.731,6.901 29.398,1.234 183.61,1.234 189.031,6.655 v2(193.269,6.655)
  Bottom Layer w0.3: v2(193.269,6.655) 194.29,6.655 197.228,9.594 200.022,9.594 202.191,11.762 U2.49@203.402,11.762
  Bottom Layer w0.8: PENT.5@22.377,33.114 v2(23.716,33.114) v2@23.749,33.147 ; P-.5@22.377,61.689 22.4,61.666 23.703,61.666 v2(23.726,61.643) ; P+.5@22.377,80.739 v2(23.716,80.739) ; VOL-.5@22.377,99.789 v2(23.716,99.789) ; VOL+.5@22.377,118.839 v2(23.716,118.839) v2@23.749,118.872
NetP-DEL_4: P-DEL.4 TAB.2 | length 25
  Bottom Layer w0.8: P-DEL.4@98.089,73.314 115.859,73.314 118.821,76.276 TAB.2@121.838,76.276
NetP_4: P.4 {[.2 | length 15
  Bottom Layer w0.8: P.4@321.927,78.076 329.467,78.076 331.267,76.276 {[.2@336.151,76.276
NetPS_2: PS.2 ~.4 | length 19.7
  Bottom Layer w0.8: PS.2@98.079,97.138 105.543,97.138 107.343,95.338 ~.4@117.066,95.338
NetQ_2: Q.2 TAB.4 | length 19.7
  Bottom Layer w0.8: TAB.4@126.664,78.076 133.658,78.076 135.458,76.276 Q.2@145.651,76.276
NetQ_4: Q.4 W.2 | length 15
  Bottom Layer w0.8: Q.4@150.477,78.076 157.712,78.076 159.512,76.276 W.2@164.701,76.276
NetR1_1: R1.1 USB1.A6 USB1.B6 | length 29.3
  Top Layer w0.5: v1(190.927,123.862) 190.876,123.862 189.395,122.381 189.395,108.28 v1(195.148,102.527)
  Bottom Layer w0.3: USB1.A6@190.425,122.418 190.425,123.346 190.927,123.847 191.425,123.349 USB1.B6@191.425,122.418
  Bottom Layer w0.5: v1(195.148,102.527) 195.174,102.502 196.726,102.502 R1.1@196.752,102.476
NetR1_2: R1.2 R3.2 U2.5 | length 99.2
  Top Layer w0.5: v1(201.917,102.464) 201.917,96.736 203.687,94.967 203.687,85.413 213.017,76.083 213.017,61.564 218.071,56.51 218.071,48.013 207.739,37.681 207.739,33.962 207.735,33.958 207.735,28.042 206.281,26.589 v3(206.281,21.778) v3@206.281,21.775
  Bottom Layer w0.3: U2.5@206.152,20.012 206.152,21.092 206.278,21.219 206.278,21.775 v3(206.281,21.778)
  Bottom Layer w0.5: R1.2@198.752,102.476 R3.2@203.854,102.476
NetR2_1: R2.1 USB1.A7 USB1.B7 | length 23.5
  Top Layer w0.5: v1@190.424,120.937 v1(190.424,120.912) 190.424,109.119 v1(195.148,104.394)
  Bottom Layer w0.3: USB1.B7@189.925,122.418 189.925,121.41 v1(190.424,120.912) 190.925,121.413 USB1.A7@190.925,122.399
  Bottom Layer w0.5: v1(195.148,104.394) R2.1@196.752,104.394
NetR2_2: R2.2 R4.2 U2.4 | length 101
  Top Layer w0.5: v1(201.066,104.394) 201.066,96.449 202.865,94.651 202.865,85.07 212.263,75.672 212.263,61.252 217.353,56.162 217.353,48.331 207,37.978 207,28.265 205.527,26.792 v3(205.527,21.778)
  Bottom Layer w0.3: v3(205.527,21.778) 205.527,21.194 205.652,21.069 U2.4@205.652,20.178
  Bottom Layer w0.5: R2.2@198.752,104.394 v1(201.066,104.394) R4.2@203.854,104.394
NetR3_1: R3.1 USB2.A6 USB2.B6 | length 27.8
  Top Layer w0.5: v1(207.302,102.527) 210.983,106.208 210.983,123.368 v1(210.488,123.862)
  Bottom Layer w0.3: USB2.A6@209.988,122.418 209.987,123.36 v1(210.488,123.862) 210.987,123.363 USB2.B6@210.988,122.418
  Bottom Layer w0.5: R3.1@205.854,102.476 205.88,102.502 207.277,102.502 v1(207.302,102.527)
NetR4_1: R4.1 USB2.A7 USB2.B7 | length 23
  Top Layer w0.5: v1(207.302,104.394) 209.988,107.08 v1(209.988,120.912)
  Bottom Layer w0.3: USB2.B7@209.485,121.783 USB2.B7@209.49,121.788 ; USB2.B7@209.49,122.641 USB2.B7@209.49,121.788 ; USB2.A7@210.485,121.783 USB2.A7@210.49,121.788 ; USB2.A7@210.49,122.641 USB2.A7@210.49,121.788 ; USB2.B7@209.49,121.788 209.49,121.41 v1(209.988,120.912) 210.49,121.413 USB2.A7@210.49,121.788
  Bottom Layer w0.5: R4.1@205.854,104.394 v1(207.302,104.394)
NetR6_1: R6.1 U2.43 | length 22.8
  Bottom Layer w0.3: R6.1@188.163,7.189 188.117,7.143 188.117,6.152 188.951,5.319 201.261,5.319 203.927,7.985 204.432,7.985 206.652,10.205 U2.43@206.652,11.012
NetR7_1: R7.1 U2.37 | length 2.2
  Bottom Layer w0.3: R7.1@209.625,8.87 209.652,8.897 U2.37@209.652,11.012
NetR8_1: R8.1 U2.36 | length 3
  Bottom Layer w0.3: U2.36@210.152,11.012 210.152,10.148 211.084,9.215 211.445,9.215 R8.1@211.79,8.87
NetR9_1: R9.1 U2.45 | length 3.8
  Bottom Layer w0.3: R9.1@203.254,8.865 204.346,8.865 205.652,10.171 U2.45@205.652,11.012
NetR_4: R.4 T.2 | length 15
  Bottom Layer w0.8: R.4@207.627,78.076 214.963,78.076 216.763,76.276 T.2@221.851,76.276
NetT_4: T.4 Y.2 | length 15
  Bottom Layer w0.8: T.4@226.69,78.076 233.937,78.076 235.737,76.276 Y.2@240.914,76.276
NetU_2: U.2 Y.4 | length 15
  Bottom Layer w0.8: Y.4@245.74,78.076 252.809,78.076 254.609,76.276 U.2@259.964,76.276
NetVOL+_2: VOL+.2 VOL-.4 | length 28.1
  Bottom Layer w0.8: VOL-.4@12.291,100.101 9.602,100.101 5.334,104.369 5.334,115.164 9.309,119.139 VOL+.2@12.301,119.139
NetX_2: X.2 Z.4 | length 15
  Bottom Layer w0.8: Z.4@164.764,39.976 172.088,39.976 173.888,38.176 X.2@178.988,38.176
NetZ_2: Z.2 |\.4 | length 15
  Bottom Layer w0.8: |\.4@145.714,39.976 153.013,39.976 154.813,38.176 Z.2@159.938,38.176
pads on no net: 1. 2. 3. 4. 5. 6. 7. 8. 9. 10. "' \"." #. +=. ,<. -_. .>. /. ;:. ]}. A. B. BACKSPACE. C. CAP. D. DEL. DOWN. E. ENTER. ESC. F1. F2. F3. F4. F5. F6. F7. F8. F9. F10. F11. F12. F. G. H. I. INS. J. K. L-ALT. L-CTRL. L-SHIFT. L. LEFT. M. N. No1. No2. No3. No4. NUMLOCK. O. P0. P1. P2. P3. P4. P5. P6. P7. P8. P9. P*. P+. P-. P-DEL. P. P/. PENT. PS. Q. R-CTRL. R-SHIFT. R. RIGHT. S. SPACE. SPACE.4 T. TAB. U2.1 U2.2 U2.9 U2.18 U2.19 U2.33 U2.34 U2.35 U2.38 U2.39 U2.40 U2.41 U2.42 U2.44 U2.46 U2.47 U2.48 U2.61 U. UP. USB1. USB1.A8 USB1.B8 USB2. USB2.A8 USB2.B8 V. VOL+. VOL-. W. WIN. X. Y2.2 Y2.4 Y. Z. {[. |\. ~.

## Polygon pours and split planes (outlines as drawn)
GND on Top Layer "GND_L01_P000" (solid, remove dead copper, pour order 0): 0.19,130.281 400.717,130.281 400.717,0.216 0.19,0.216
GND on Bottom Layer "GND_L02_P001" (solid, remove dead copper, pour order 1): 0.189,0.216 0.189,130.281 400.717,130.281 400.717,0.216

## Keep-outs
Keep-Out Layer:
  the board outline again, w0.5

## Other copper
Bottom Layer:
  pour cut-out: 203.802,18.613 203.799,18.893 203.888,18.893 204.131,18.649 204.131,18.628 204.09,18.587 204.06,18.587 204.043,18.569 203.908,18.569 203.87,18.607
  pour cut-out: 203.566,13.975 203.566,13.782 203.754,13.594 203.869,13.709 204.072,13.709 204.114,13.751 204.114,13.901 204.052,13.964 203.856,13.964 203.802,13.91
  pour cut-out: 208.046,19.675 211.531,19.675 211.973,19.233 211.882,19.141 211.882,17.831 211.323,17.831 210.525,18.628 208.506,18.628 208.104,19.03
  pour cut-out: 205.649,19.624 205.694,19.67 207.117,19.67 207.117,19.144 207.104,19.131 205.699,19.131

## Silkscreen, mask and mechanical layers (free items; w line width, h text height)
Mechanical 1:
  drawing of 512 lines, arcs and shapes, not listed
Mechanical 15:
  drawing of 717 lines, arcs and shapes, not listed